# Altium PCB Lock_5chanel.PcbDoc
Units mm, origin at the board's own origin, x right, y up, seen from the top; angles counter-clockwise.
Board outline 100.13 x 72.13 mm, 2 copper layers (Top Layer, Bottom Layer); 158 components, 76 nets, 434 pads, 260 vias.
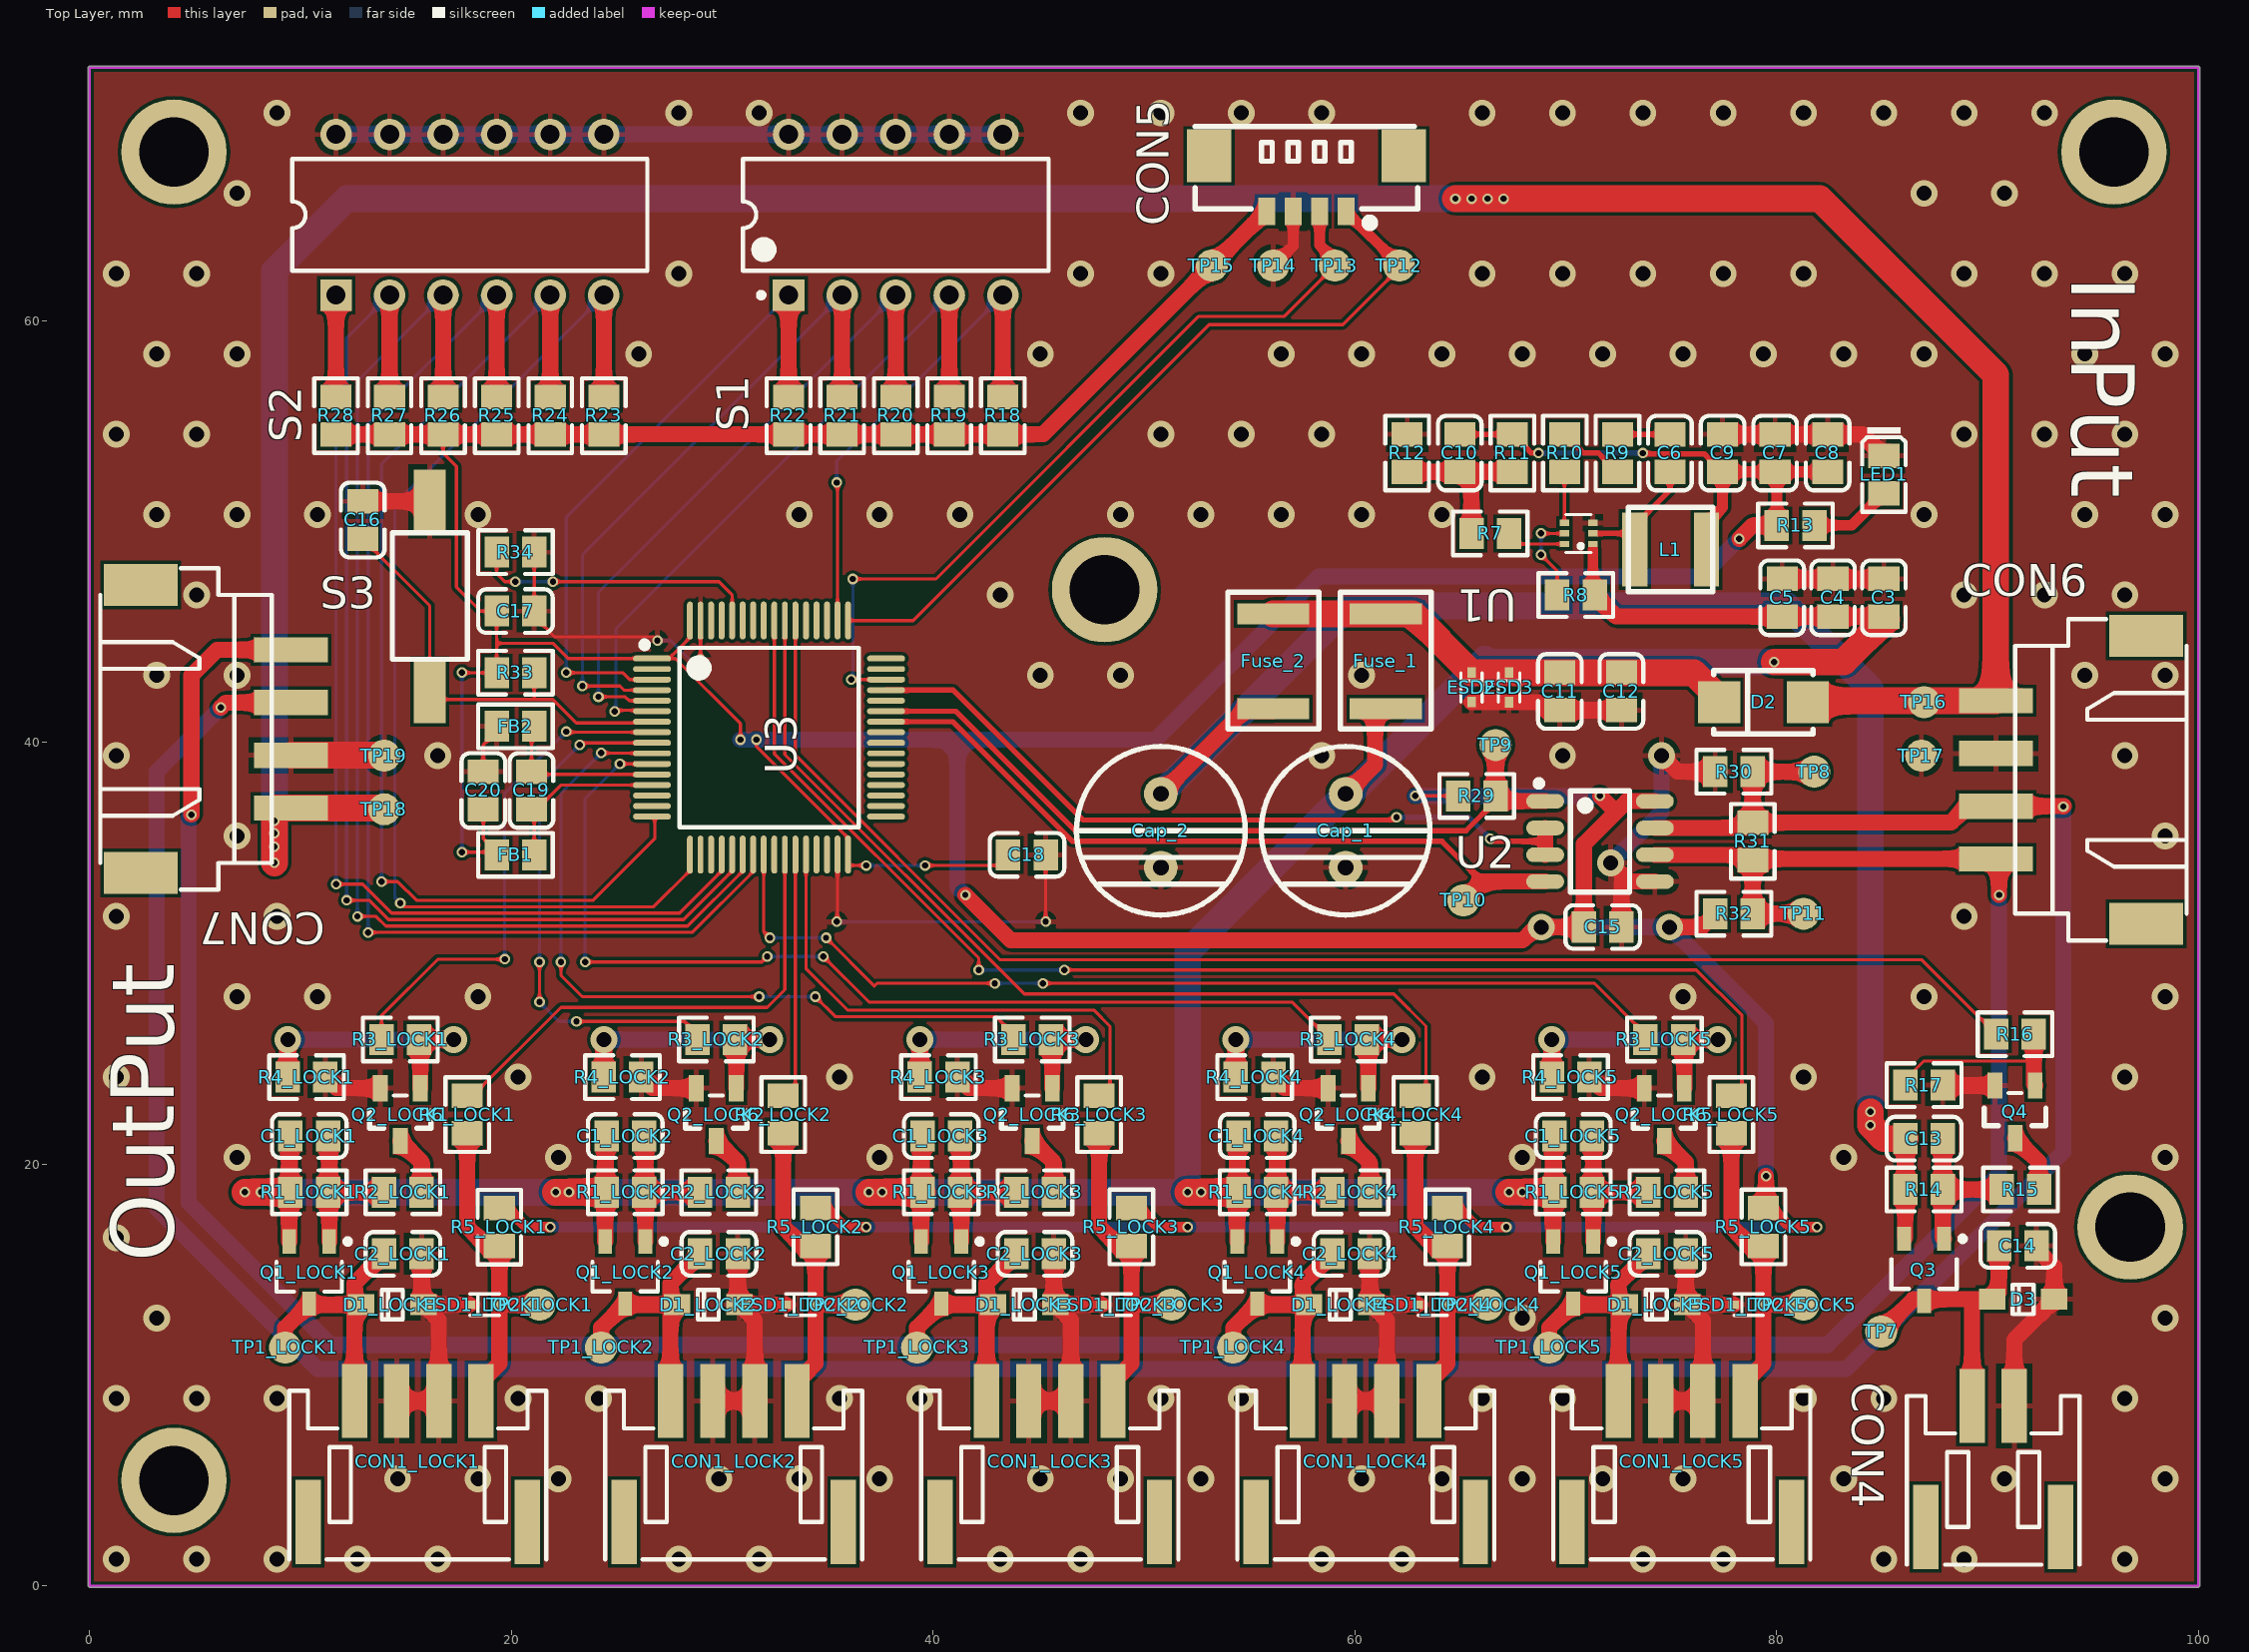
[diagram p0: Top Layer view]
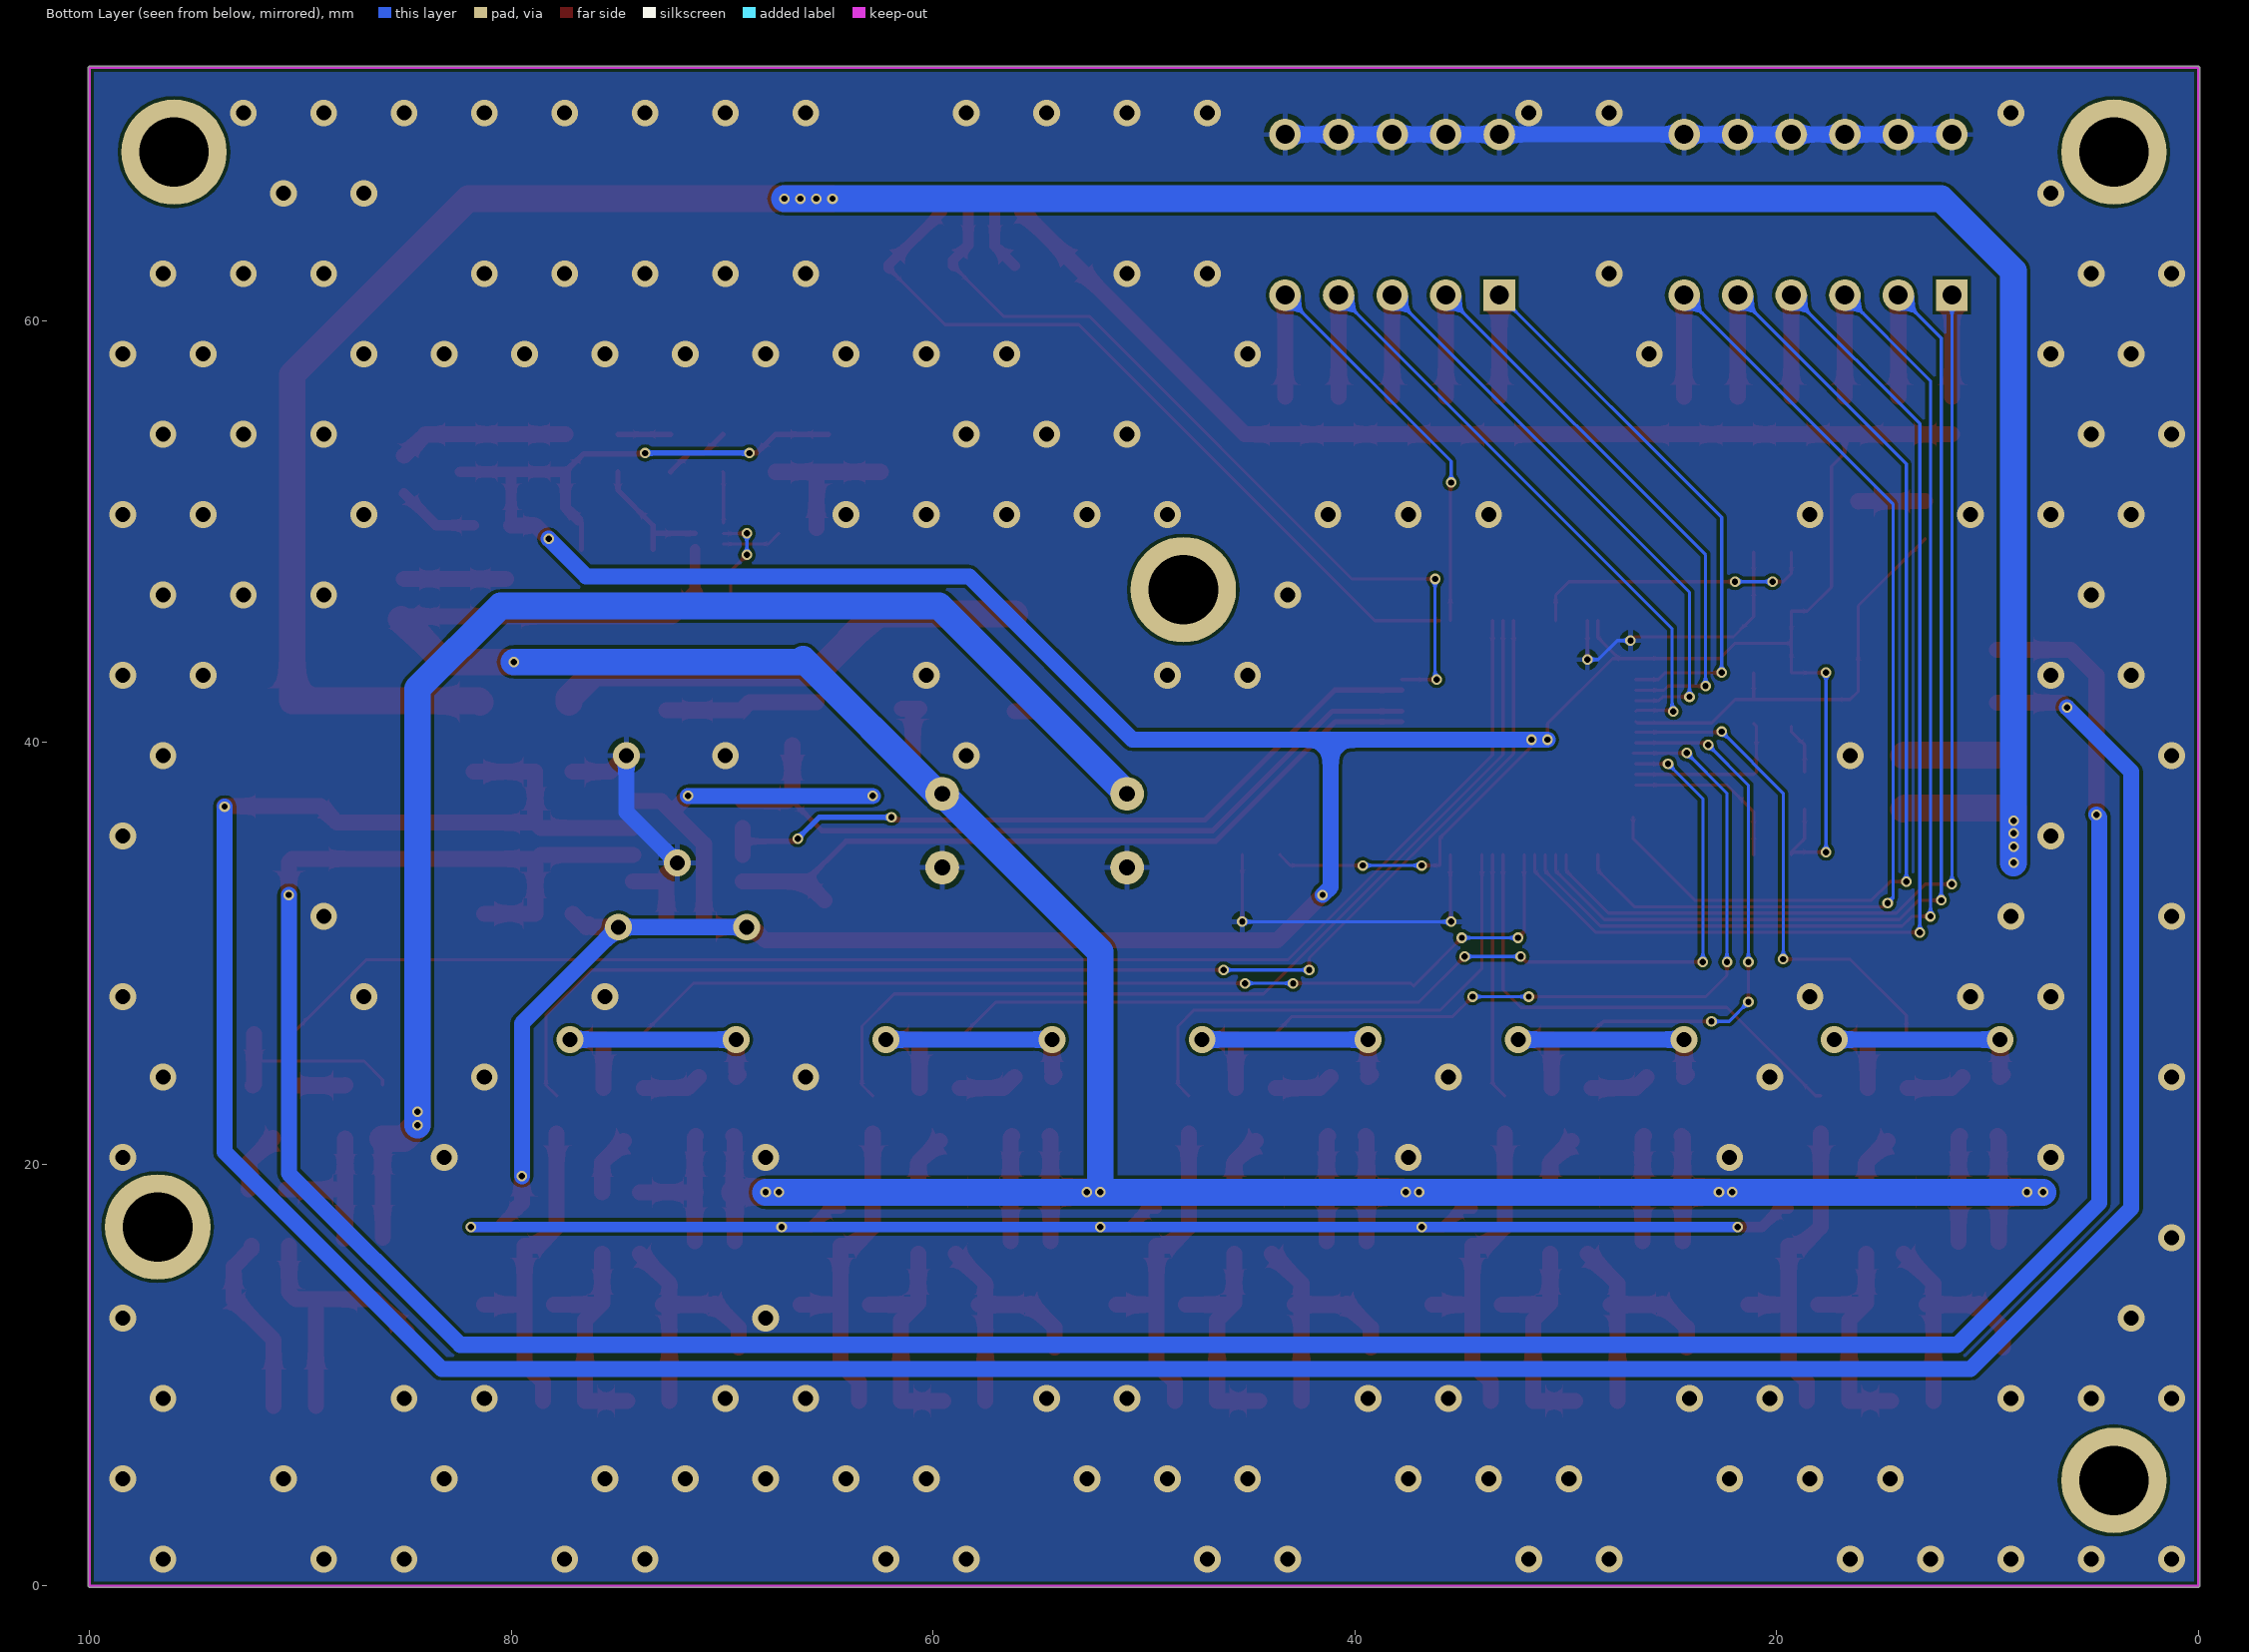
[diagram p1: Bottom Layer view, seen from below]
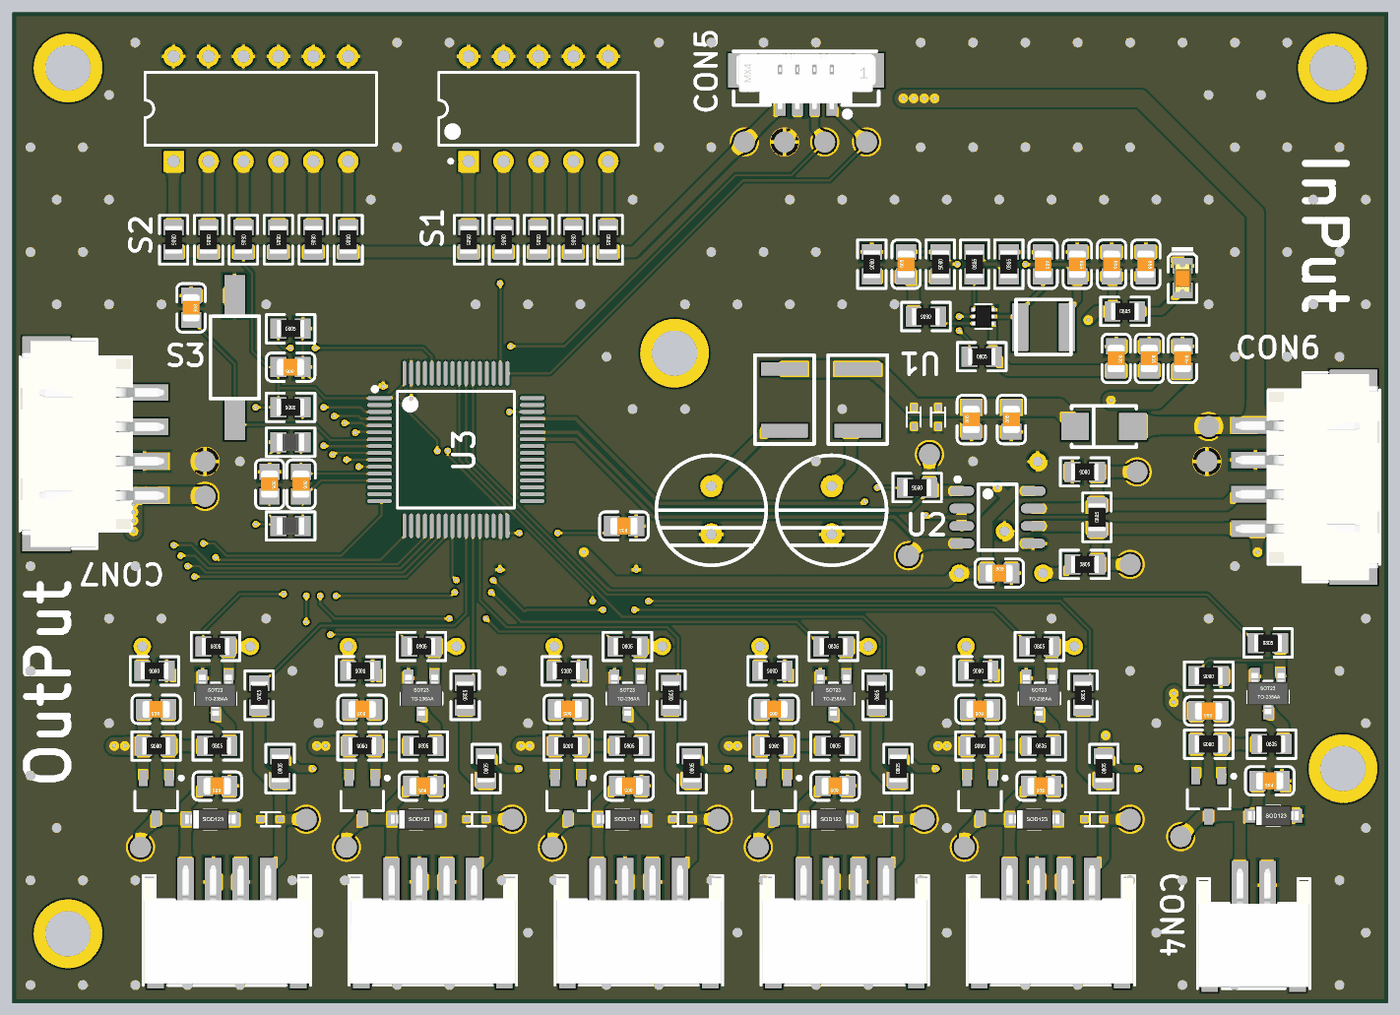
[diagram p2: 3D render of the assembled board from above, using the file's embedded part models]

## Layer stack, top to bottom
Top Solder: solder mask 0.0102, Solder Resist, Dk 3.5
Top Layer: signal copper 0.0356
Dielectric 1: dielectric 0.32, FR-4, Dk 4.8
Bottom Layer: signal copper 0.0356
Bottom Solder: solder mask 0.0102, Solder Resist, Dk 3.5

## Board outline
0,-0.064 cw(c0,0) -0.064,0 -0.064,72 cw(c0,72) 0,72.064 100,72.064 cw(c100,72) 100.064,72 100.064,0 cw(c100,0) 100,-0.064

## Design rules (kind name [scope] priority, off if disabled: settings)
Clearance [All] p1: gap=0.152
PolygonConnect [All] p1: connectstyle=Relief reliefconductorwidth=0.254 reliefentries=4 polygonreliefangle="90 Angle" airgapwidth=0.254
RoomDefinition LOCK5 [InComponentClass('LOCK5')] p1: confinementstyle=ConfineIn formatcopy=TRUE lockcomponents=FALSE outline 67.945,27.432 67.945,0.381 82.804,0.381 82.804,27.432
RoomDefinition LOCK4 [InComponentClass('LOCK4')] p2: confinementstyle=ConfineIn formatcopy=TRUE lockcomponents=FALSE outline 52.959,27.432 52.959,0.381 67.818,0.381 67.818,27.432
RoomDefinition LOCK3 [InComponentClass('LOCK3')] p3: confinementstyle=ConfineIn formatcopy=TRUE lockcomponents=FALSE outline 37.973,27.432 37.973,0.381 52.832,0.381 52.832,27.432
RoomDefinition LOCK2 [InComponentClass('LOCK2')] p4: confinementstyle=ConfineIn formatcopy=TRUE lockcomponents=FALSE outline 22.987,27.432 22.987,0.381 37.846,0.381 37.846,27.432
RoomDefinition LOCK1 [InComponentClass('LOCK1')] p5: confinementstyle=ConfineIn formatcopy=TRUE lockcomponents=FALSE outline 8.001,27.431 8.001,0.38 22.86,0.38 22.86,27.431
RoomDefinition Designator_Led [InComponentClass('Designator_Led')] p6: confinementstyle=ConfineIn formatcopy=TRUE lockcomponents=FALSE outline 82.931,0.381 95.377,0.381 95.377,27.432 82.931,27.432
RoutingVias [All] p1: holewidth=0.3 width=0.5 viastyle="Through Hole" minholewidth=0.2 minwidth=0.45 maxholewidth=6.3 maxwidth=1.27
SolderMaskExpansion [All] p1: expansion=0.102
Width [All] p1: maxlimit=1.27 minlimit=0.152 preferedwidth=0.152
30 further rules are at their usual default settings.

## Classes and differential pairs
component class Designator_MCU: C16 C17 C18 C19 C20 CON5 FB1 FB2 R33 R34 S3 TP12 TP13 TP14 TP15 U3
component class LOCK1: C1_LOCK1 C2_LOCK1 CON1_LOCK1 D1_LOCK1 ESD1_LOCK1 Q1_LOCK1 Q2_LOCK1 R1_LOCK1 R2_LOCK1 R3_LOCK1 R4_LOCK1 R5_LOCK1 R6_LOCK1 TP1_LOCK1 TP2_LOCK1
component class LOCK2: C1_LOCK2 C2_LOCK2 CON1_LOCK2 D1_LOCK2 ESD1_LOCK2 Q1_LOCK2 Q2_LOCK2 R1_LOCK2 R2_LOCK2 R3_LOCK2 R4_LOCK2 R5_LOCK2 R6_LOCK2 TP1_LOCK2 TP2_LOCK2
component class LOCK3: C1_LOCK3 C2_LOCK3 CON1_LOCK3 D1_LOCK3 ESD1_LOCK3 Q1_LOCK3 Q2_LOCK3 R1_LOCK3 R2_LOCK3 R3_LOCK3 R4_LOCK3 R5_LOCK3 R6_LOCK3 TP1_LOCK3 TP2_LOCK3
component class LOCK4: C1_LOCK4 C2_LOCK4 CON1_LOCK4 D1_LOCK4 ESD1_LOCK4 Q1_LOCK4 Q2_LOCK4 R1_LOCK4 R2_LOCK4 R3_LOCK4 R4_LOCK4 R5_LOCK4 R6_LOCK4 TP1_LOCK4 TP2_LOCK4
component class LOCK5: C1_LOCK5 C2_LOCK5 CON1_LOCK5 D1_LOCK5 ESD1_LOCK5 Q1_LOCK5 Q2_LOCK5 R1_LOCK5 R2_LOCK5 R3_LOCK5 R4_LOCK5 R5_LOCK5 R6_LOCK5 TP1_LOCK5 TP2_LOCK5
component class module: CON6 CON7 TP16 TP17 TP18 TP19
net class NET_LOCK_EN[1..5]: NET_LOCK_EN1 NET_LOCK_EN2 NET_LOCK_EN3 NET_LOCK_EN4 NET_LOCK_EN5
net class NET_LOCK_IN[1..5]: NET_LOCK_IN1 NET_LOCK_IN2 NET_LOCK_IN3 NET_LOCK_IN4 NET_LOCK_IN5
channel class OutPut: LOCK1 LOCK2 LOCK3 LOCK4 LOCK5
component class Designator_Led: C13 C14 CON4 D3 Q3 Q4 R14 R15 R16 R17 TP7
component class Designator_Power: C3 C4 C5 C6 C7 C8 C9 C10 C11 C12 Cap_1 Cap_2 D2 ESD2 ESD3 Fuse_1 Fuse_2 L1 LED1 R7 R8 R9 R10 R11 R12 R13 U1
component class Designator_RS485: C15 R18 R19 R20 R21 R22 R23 R24 R25 R26 R27 R28 R29 R30 R31 R32 S1 S2 TP8 TP9 TP10 TP11 U2

## Components (designator, comment, footprint, x,y, rotation, side; value= is the part's Value field where it differs from the comment)
C1_LOCK1 "NC" 0805_C 10.413,21.334 r180 top (schematic designator C1)
C1_LOCK2 "NC" 0805_C 25.399,21.335 r180 top (schematic designator C1)
C1_LOCK3 "NC" 0805_C 40.385,21.335 r180 top (schematic designator C1)
C1_LOCK4 "NC" 0805_C 55.371,21.335 r180 top (schematic designator C1)
C1_LOCK5 "NC" 0805_C 70.357,21.335 r180 top (schematic designator C1)
C2_LOCK1 "10uF (106) 10% 25V" 0805_C 14.859,15.747 r180 top (schematic designator C2)
C2_LOCK2 "10uF (106) 10% 25V" 0805_C 29.845,15.748 r180 top (schematic designator C2)
C2_LOCK3 "10uF (106) 10% 25V" 0805_C 44.831,15.748 r180 top (schematic designator C2)
C2_LOCK4 "10uF (106) 10% 25V" 0805_C 59.817,15.748 r180 top (schematic designator C2)
C2_LOCK5 "10uF (106) 10% 25V" 0805_C 74.803,15.748 r180 top (schematic designator C2)
C3 "NC" 0805_C 85.09,46.863 r270 top
C4 "10uF (106) 10% 25V" 0805_C 82.677,46.863 r270 top
C5 "100nF(104) 10% 50V" 0805_C 80.264,46.863 r270 top
C6 "1uF (105) 10% 50V" 0805_C 74.946,53.721 r270 top
C7 "100nF(104) 10% 50V" 0805_C 79.931,53.721 r270 top
C8 "22uF (226) 20% 25V" 0805_C 82.423,53.721 r270 top
C9 "22uF (226) 20% 25V" 0805_C 77.438,53.721 r270 top
C10 "33pF (330) 5% 50V" 0805_C 64.976,53.721 r90 top
C11 "10uF (106) 10% 25V" 0805_C 69.723,42.418 r90 top
C12 "100nF(104) 10% 50V" 0805_C 72.644,42.418 r90 top
C13 "NC" 0805_C 86.995,21.209 r180 top
C14 "10uF (106) 10% 25V" 0805_C 91.44,16.129 r180 top
C15 "100nF(104) 10% 50V" 0805_C 71.755,31.242 r0 top
C16 "100nF(104) 10% 50V" 0805_C 12.954,50.546 r270 top
C17 "100nF(104) 10% 50V" 0805_C 20.193,46.228 r180 top
C18 "100nF(104) 10% 50V" 0805_C 44.45,34.671 r180 top
C19 "100nF(104) 10% 50V" 0805_C 20.955,37.719 r270 top
C20 "100nF(104) 10% 50V" 0805_C 18.669,37.719 r270 top
Cap_1 "CAP" 8X12_CAP 59.563,35.814 r270 top
Cap_2 "CAP" 8X12_CAP 50.8,35.814 r270 top
CON1_LOCK1 "4P_PH2.54_W" PH2.0-WS-4P 15.56,3.026 r0 top (schematic designator CON1)
CON1_LOCK2 "4P_PH2.54_W" PH2.0-WS-4P 30.546,3.027 r0 top (schematic designator CON1)
CON1_LOCK3 "4P_PH2.54_W" PH2.0-WS-4P 45.532,3.027 r0 top (schematic designator CON1)
CON1_LOCK4 "4P_PH2.54_W" PH2.0-WS-4P 60.518,3.027 r0 top (schematic designator CON1)
CON1_LOCK5 "4P_PH2.54_W" PH2.0-WS-4P 75.504,3.027 r0 top (schematic designator CON1)
CON4 "Header 2" PH2.0-WS-2P 90.272,2.788 r0 top
CON5 "4P_SMD1.25_WF" "MX 1.25-LS-4P" 57.69,67.437 r180 top
CON6 "4P_XH2.54_W" XH2.54-WS-4P 95.377,38.227 r90 top
CON7 "4P_XH2.54_W" XH2.54-WS-4P 4.572,40.64 r270 top
D1_LOCK1 "B5819W  SL" SOD-123 14.351,13.334 r0 top (schematic designator D1)
D1_LOCK2 "B5819W  SL" SOD-123 29.337,13.335 r0 top (schematic designator D1)
D1_LOCK3 "B5819W  SL" SOD-123 44.323,13.335 r0 top (schematic designator D1)
D1_LOCK4 "B5819W  SL" SOD-123 59.309,13.335 r0 top (schematic designator D1)
D1_LOCK5 "B5819W  SL" SOD-123 74.295,13.335 r0 top (schematic designator D1)
D2 "SS54" SMA(DO-214AC)_S1 79.375,41.91 r0 top
D3 "B5819W  SL" SOD-123 91.694,13.589 r0 top
ESD1_LOCK1 "ESD-AC" SOD-523 19.431,13.334 r180 top (schematic designator ESD1)
ESD1_LOCK2 "ESD-AC" SOD-523 34.417,13.335 r180 top (schematic designator ESD1)
ESD1_LOCK3 "ESD-AC" SOD-523 49.403,13.335 r180 top (schematic designator ESD1)
ESD1_LOCK4 "ESD-AC" SOD-523 64.389,13.335 r180 top (schematic designator ESD1)
ESD1_LOCK5 "ESD-AC" SOD-523 79.375,13.335 r180 top (schematic designator ESD1)
ESD2 "ESD-D" SOD-523 65.532,41.91 r90 top
ESD3 "ESD-D" SOD-523 67.31,41.907 r90 top
FB1 "100Ω ±25% 100MHz" 0805_L 20.193,34.671 r0 top
FB2 "100Ω ±25% 100MHz" 0805_L 20.193,40.767 r0 top
Fuse_1 "SMD1812P260_FUSE" SMD1812P260 61.468,46.101 r270 top
Fuse_2 "SMD1812P260_FUSE" SMD1812P260 56.134,46.101 r270 top
L1 "2.2uH" L_4030 72.979,47.149 r0 top
LED1 "红灯 0805" 0805_LED_S1 85.09,52.705 r270 top
Q1_LOCK1 "AO3401A P道沟 X13A15 SOT-23" SOT-23-3L 10.414,14.858 r90 top (schematic designator Q1)
Q1_LOCK2 "AO3401A P道沟 X13A15 SOT-23" SOT-23-3L 25.4,14.859 r90 top (schematic designator Q1)
Q1_LOCK3 "AO3401A P道沟 X13A15 SOT-23" SOT-23-3L 40.386,14.859 r90 top (schematic designator Q1)
Q1_LOCK4 "AO3401A P道沟 X13A15 SOT-23" SOT-23-3L 55.372,14.859 r90 top (schematic designator Q1)
Q1_LOCK5 "AO3401A P道沟 X13A15 SOT-23" SOT-23-3L 70.358,14.859 r90 top (schematic designator Q1)
Q2_LOCK1 "SS8050 Y1" SOT-23(SOT-23-3) 14.732,22.351 r90 top (schematic designator Q2)
Q2_LOCK2 "SS8050 Y1" SOT-23(SOT-23-3) 29.718,22.352 r90 top (schematic designator Q2)
Q2_LOCK3 "SS8050 Y1" SOT-23(SOT-23-3) 44.704,22.352 r90 top (schematic designator Q2)
Q2_LOCK4 "SS8050 Y1" SOT-23(SOT-23-3) 59.69,22.352 r90 top (schematic designator Q2)
Q2_LOCK5 "SS8050 Y1" SOT-23(SOT-23-3) 74.676,22.352 r90 top (schematic designator Q2)
Q3 "AO3401A P道沟 X13A15 SOT-23" SOT-23-3L 86.995,14.986 r90 top
Q4 "SS8050 Y1" SOT-23(SOT-23-3) 91.313,22.479 r90 top
R1_LOCK1 "100KΩ (1003) ±1%" 0805_R 10.413,18.667 r180 top (schematic designator R1)
R1_LOCK2 "100KΩ (1003) ±1%" 0805_R 25.399,18.668 r180 top (schematic designator R1)
R1_LOCK3 "100KΩ (1003) ±1%" 0805_R 40.385,18.668 r180 top (schematic designator R1)
R1_LOCK4 "100KΩ (1003) ±1%" 0805_R 55.371,18.668 r180 top (schematic designator R1)
R1_LOCK5 "100KΩ (1003) ±1%" 0805_R 70.357,18.668 r180 top (schematic designator R1)
R2_LOCK1 "1KΩ (1001) ±1%" 0805_R 14.859,18.668 r0 top (schematic designator R2)
R2_LOCK2 "1KΩ (1001) ±1%" 0805_R 29.845,18.669 r0 top (schematic designator R2)
R2_LOCK3 "1KΩ (1001) ±1%" 0805_R 44.831,18.669 r0 top (schematic designator R2)
R2_LOCK4 "1KΩ (1001) ±1%" 0805_R 59.817,18.669 r0 top (schematic designator R2)
R2_LOCK5 "1KΩ (1001) ±1%" 0805_R 74.803,18.669 r0 top (schematic designator R2)
R3_LOCK1 "1KΩ (1001) ±1%" 0805_R 14.732,25.907 r0 top (schematic designator R3)
R3_LOCK2 "1KΩ (1001) ±1%" 0805_R 29.718,25.908 r0 top (schematic designator R3)
R3_LOCK3 "1KΩ (1001) ±1%" 0805_R 44.704,25.908 r0 top (schematic designator R3)
R3_LOCK4 "1KΩ (1001) ±1%" 0805_R 59.69,25.908 r0 top (schematic designator R3)
R3_LOCK5 "1KΩ (1001) ±1%" 0805_R 74.676,25.908 r0 top (schematic designator R3)
R4_LOCK1 "10KΩ (1002) ±1%" 0805_R 10.287,24.129 r180 top (schematic designator R4)
R4_LOCK2 "10KΩ (1002) ±1%" 0805_R 25.273,24.13 r180 top (schematic designator R4)
R4_LOCK3 "10KΩ (1002) ±1%" 0805_R 40.259,24.13 r180 top (schematic designator R4)
R4_LOCK4 "10KΩ (1002) ±1%" 0805_R 55.245,24.13 r180 top (schematic designator R4)
R4_LOCK5 "10KΩ (1002) ±1%" 0805_R 70.231,24.13 r180 top (schematic designator R4)
R5_LOCK1 "NC" 0805_R 19.431,17.017 r90 top (schematic designator R5)
R5_LOCK2 "NC" 0805_R 34.417,17.018 r90 top (schematic designator R5)
R5_LOCK3 "NC" 0805_R 49.403,17.018 r90 top (schematic designator R5)
R5_LOCK4 "NC" 0805_R 64.389,17.018 r90 top (schematic designator R5)
R5_LOCK5 "NC" 0805_R 79.375,17.018 r90 top (schematic designator R5)
R6_LOCK1 "1KΩ (1001) ±1%" 0805_R 17.907,22.351 r90 top (schematic designator R6)
R6_LOCK2 "1KΩ (1001) ±1%" 0805_R 32.893,22.352 r90 top (schematic designator R6)
R6_LOCK3 "1KΩ (1001) ±1%" 0805_R 47.879,22.352 r90 top (schematic designator R6)
R6_LOCK4 "1KΩ (1001) ±1%" 0805_R 62.865,22.352 r90 top (schematic designator R6)
R6_LOCK5 "1KΩ (1001) ±1%" 0805_R 77.851,22.352 r90 top (schematic designator R6)
R7 "100KΩ (1003) ±1%" 0805_R 66.421,49.911 r180 top
R8 "100KΩ (1003) ±1%" 0805_R 70.485,46.99 r0 top
R9 "10Ω (10R0) ±1%" 0805_R 72.454,53.721 r90 top
R10 "20Ω (20R0) ±1%" 0805_R 69.961,53.721 r90 top
R11 "40.2KΩ (4022) ±1%" 0805_R 67.469,53.721 r270 top
R12 "13KΩ (1302) ±1%" 0805_R 62.484,53.721 r270 top
R13 "180Ω (1800) ±1%" 0805_R 80.899,50.292 r0 top
R14 "100KΩ (1003) ±1%" 0805_R 86.995,18.796 r180 top
R15 "1KΩ (1001) ±1%" 0805_R 91.567,18.796 r0 top
R16 "1KΩ (1001) ±1%" 0805_R 91.313,26.162 r0 top
R17 "10KΩ (1002) ±1%" 0805_R 86.995,23.749 r180 top
R18 "10KΩ (1002) ±1%" 0805_R 43.307,55.499 r270 top
R19 "10KΩ (1002) ±1%" 0805_R 40.767,55.499 r270 top
R20 "10KΩ (1002) ±1%" 0805_R 38.227,55.499 r270 top
R21 "10KΩ (1002) ±1%" 0805_R 35.687,55.499 r270 top
R22 "10KΩ (1002) ±1%" 0805_R 33.147,55.499 r270 top
R23 "10KΩ (1002) ±1%" 0805_R 24.384,55.499 r270 top
R24 "10KΩ (1002) ±1%" 0805_R 21.844,55.499 r270 top
R25 "10KΩ (1002) ±1%" 0805_R 19.304,55.499 r270 top
R26 "10KΩ (1002) ±1%" 0805_R 16.764,55.499 r270 top
R27 "10KΩ (1002) ±1%" 0805_R 14.224,55.499 r270 top
R28 "10KΩ (1002) ±1%" 0805_R 11.684,55.499 r270 top
R29 "10KΩ (1002) ±1%" 0805_R 65.786,37.465 r180 top
R30 "10KΩ (1002) ±1%" 0805_R 77.978,38.608 r180 top
R31 "120Ω (1200) ±1%" 0805_R 78.867,35.306 r90 top
R32 "10KΩ (1002) ±1%" 0805_R 77.978,31.877 r0 top
R33 "10KΩ (1002) ±1%" 0805_R 20.193,43.307 r180 top
R34 "10KΩ (1002) ±1%" 0805_R 20.193,49.022 r0 top
S1 "SW DIP-5" N10A 38.227,65.024 r90 top
S2 "SW DIP-6" DIP-12/SW 18.034,65.024 r0 top
S3 "SW-SPST" key 16.129,42.418 r90 top
TP1_LOCK1 "TP" TP 9.271,11.302 r0 top (schematic designator TP1)
TP1_LOCK2 "TP" TP 24.257,11.303 r0 top (schematic designator TP1)
TP1_LOCK3 "TP" TP 39.243,11.303 r0 top (schematic designator TP1)
TP1_LOCK4 "TP" TP 54.229,11.303 r0 top (schematic designator TP1)
TP1_LOCK5 "TP" TP 69.215,11.303 r0 top (schematic designator TP1)
TP2_LOCK1 "TP" TP 21.336,13.334 r0 top (schematic designator TP2)
TP2_LOCK2 "TP" TP 36.322,13.335 r0 top (schematic designator TP2)
TP2_LOCK3 "TP" TP 51.308,13.335 r0 top (schematic designator TP2)
TP2_LOCK4 "TP" TP 66.294,13.335 r0 top (schematic designator TP2)
TP2_LOCK5 "TP" TP 81.28,13.335 r0 top (schematic designator TP2)
TP7 "TP" TP 84.963,12.065 r0 top
TP8 "TP" TP 81.788,38.608 r0 top
TP9 "TP" TP 66.675,39.878 r0 top
TP10 "TP" TP 65.151,32.512 r90 top
TP11 "TP" TP 81.28,31.877 r90 top
TP12 "TP" TP 62.103,62.611 r180 top
TP13 "TP" TP 59.055,62.611 r180 top
TP14 "TP" TP 56.134,62.611 r180 top
TP15 "TP" TP 53.213,62.611 r180 top
TP16 "TP" TP 86.995,41.91 r90 top
TP17 "TP" TP 86.868,39.37 r90 top
TP18 "TP" TP 13.97,36.83 r270 top
TP19 "TP" TP 13.97,39.37 r270 top
U1 "MP1653HGTF-Z" SOT563-6 70.612,49.911 r90 top
U2 "SP3485EN-L/TR" SOIC-8_150mil 71.628,35.306 r270 top
U3 "STM32F030R8T6" LQFP-64_10X10X05P 32.22,40.231 r270 top
